# Altium PCB 小车PCB升级1 - 副本.PcbDoc (part 3 of 3)
Units mil, origin at the board's own origin, x right, y up, seen from the top; angles counter-clockwise.
Board outline 11811 x 8110.24 mil, 2 copper layers (Top Layer, Bottom Layer); 354 components, 360 nets, 1479 pads, 401 vias.
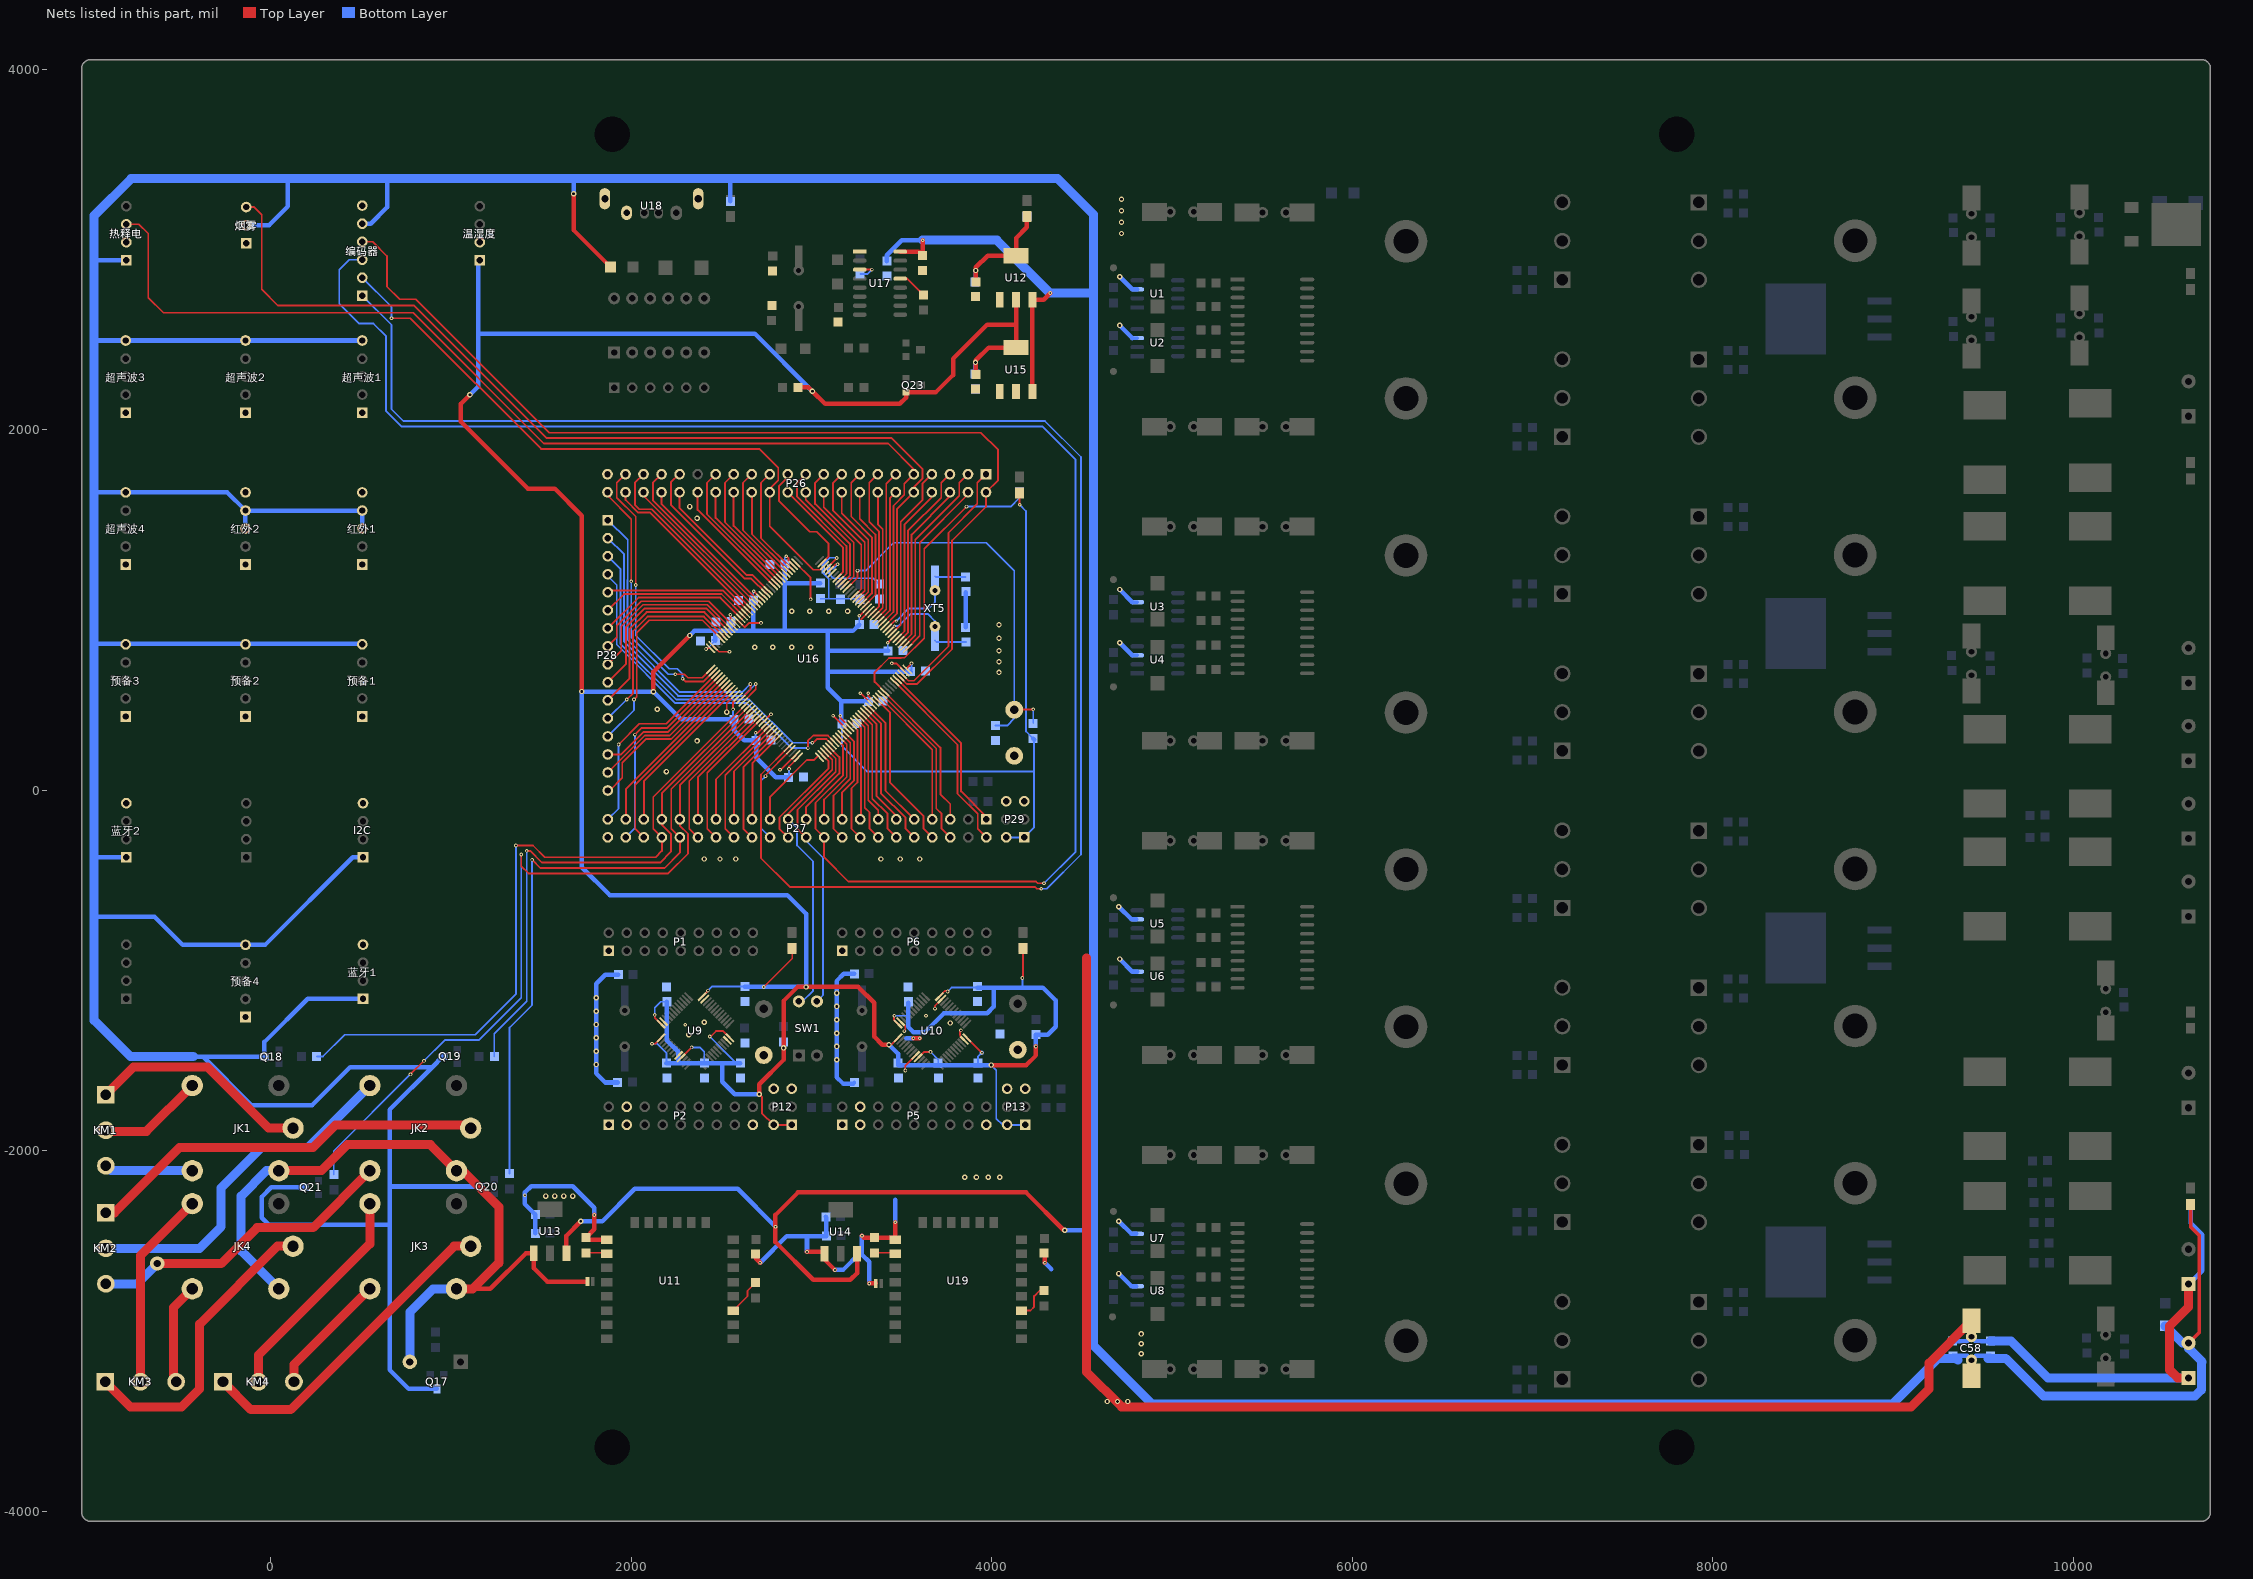
[diagram p3: the nets of this part, all layers, seen from the top]

## Via types
v1: diameter 20, hole 10, Top Layer to Bottom Layer, 231 vias
v2: diameter 30, hole 15, Top Layer to Bottom Layer, 119 vias
v3: diameter 118.11, hole 59.06, Top Layer to Bottom Layer, 29 vias
v4: diameter 157.48, hole 78.74, Top Layer to Bottom Layer, 8 vias
v5: diameter 236.22, hole 236.22, Top Layer to Bottom Layer, 8 vias
v6: diameter 50, hole 25, Top Layer to Bottom Layer, 2 vias
v7: diameter 16, hole 8, Top Layer to Bottom Layer, 1 vias
v8: diameter 30/25 (per signal layer), hole 15, Top Layer to Bottom Layer, 1 vias
v9: diameter 78.74, hole 39.37, Top Layer to Bottom Layer, 1 vias
v10: diameter 15, hole 8, Top Layer to Bottom Layer, 1 vias

## Nets (pads, with @x,y where several pads share a name; then routed paths per layer and width w, separated by ;. In a path a pad name is that pad's centre, name@x,y a point inside that pad or via, vN(x,y) a via of type N, cw(c..) or ccw(c..) an arc to the next point about the centre after c; other vN are vias at no path point) (continued)
NetR80_2: R80.2 U11.3 | length 206.5
  Top Layer w10: U11.3@2565.79,-2885 2645,-2805.79 2645,-2775 R80.2@2690,-2730
NetR81_2: R81.2 U11.16 | length 117.1
  Top Layer w10: R81.2@1750,-2565 1859.96,-2565 U11.16@1865,-2570.04
NetR93_2: R93.2 U17.3 | length 143
  Top Layer w10: U17.3@3267.5,2890 v1(3335,2890)
  Bottom Layer w10: R93.2@3270,2864.64 3309.64,2864.64 v1(3335,2890)
NetR94_1: R94.1 U17.13 | length 164.8
  Top Layer w10: U17.13@3492.5,2840 3530,2840 R94.1@3620,2750
NetR99_2: R99.2 U19.3 | length 205.7
  Top Layer w10: U19.3@4165,-2885 4215,-2885 4235,-2865 4235,-2805 4265,-2775 R99.2@4290,-2775
NetR100_2: R100.2 U19.16 | length 116.3
  Top Layer w10: R100.2@3350,-2565 U19.16@3459.17,-2565
  Top Layer w25: U19.16@3459.17,-2565 U19.16@3464.21,-2570.04
PA0: P26.26 U16.34 编码器.2 | length 3527.5
  Top Layer w10: v1(670,2620) 775,2620 1500,1895 2710,1895 2815,1790 2815,1721.75 2768.05,1674.8 P26.26@2768.05,1655 2768.05,1466.95 3010.06,1224.94 3048.89,1224.94 U16.34@3065.12,1241.16
  Bottom Layer w10: 编码器.2@507.73,2845 670,2682.73 v1(670,2620)
PA1: P26.23 U16.35 | length 675.3
  Top Layer w10: P26.23@2868.05,1755 2868.05,1738.05 2820,1690 2820,1605 2990,1435 3030,1435 3095,1370 3095,1298.88 U16.35@3051.2,1255.08
PA4: P26.25 U16.40 | length 619.4
  Top Layer w10: P26.25@2768.05,1755 2720,1706.95 2720,1399.31 2892.07,1227.24 U16.40@2892.51,1227.24
PA5: P26.28 U16.41 | length 538.1
  Top Layer w10: P26.28@2670,1665 2670,1421.91 U16.41@2878.6,1213.32
PA6: P26.27 U16.42 | length 676.9
  Top Layer w10: P26.27@2668.05,1755 2620,1706.95 2620,1444.08 U16.42@2864.68,1199.4
PA7: P26.30 U16.43 | length 579.3
  Top Layer w10: P26.30@2568.05,1655 2568.05,1468.19 U16.43@2843.69,1192.55 U16.43@2845.55,1190.69
PA8: P27.27 U16.100 | length 535.5
  Top Layer w10: P27.27@2671.95,-170 2671.95,152.02 U16.100@2822.92,302.99
PA12: U16.104 编码器.1 | length 9449.1
  Top Layer w10: U16.104@2878.6,247.31 2720,88.72 2720,-375 2880,-535 4240,-535 4250,-545 v1(4275,-545)
  Bottom Layer w10: 编码器.1@507.73,2745 670,2582.73 670,2115 735,2050 4295,2050 4495,1850 4495,-355 4305,-545 v1(4275,-545)
PA13: P27.26 U16.105 | length 583.9
  Top Layer w10: v1(2745,80) 2739.12,80 U16.105@2885.44,226.32
  Bottom Layer w10: v1(2745,80) 2720,55 2720,-210 P27.26@2770,-260
PA14: P27.25 U16.109 | length 486.2
  Top Layer w10: P27.25@2770,-160 2770,-35 2975,170 3015.64,170 U16.109@3037.28,191.63
PA15: P27.24 U16.110 | length 616.7
  Top Layer w10: P27.24@2870,-260 2821.95,-211.95 2821.95,-150 3095,123.05 3095,161.75 U16.110@3051.2,205.55
PB0: P26.31 U16.46 | length 792.3
  Top Layer w10: P26.31@2468.05,1755 2420,1706.95 2420,1532.72 U16.46@2809,1143.72
PB1: P26.34 U16.47 | length 702.1
  Top Layer w10: P26.34@2368.05,1655 2368.05,1556.83 U16.47@2795.08,1129.8
PB3: P27.7 U16.133 | length 809.4
  Top Layer w10: U16.133@3371.34,525.7 U16.133@3378.41,518.63 3670,227.04 P27.7@3670,-160
PB4: P27.6 U16.134 | length 959
  Top Layer w10: U16.134@3385.26,539.62 U16.134@3392.33,532.55 3691.95,232.93 3691.95,-100 3721.95,-130 3721.95,-211.95 P27.6@3770,-260
PB5: P27.5 R90.2 U16.135 | length 2515.2
  Top Layer w10: P27.5@3770,-160 3770,-75 3715,-20 3715,237.72 U16.135@3406.25,546.47 3350,602.72 3350,655 3430,735 3497.37,735 3498.37,736 3516,736 3625,845 3625,1340 v1(3860,1575)
  Bottom Layer w10: v1(3860,1575) 4105,1575 4153.8,1623.8 R90.2@4153.8,1655
PB8: P27.2 U16.139 | length 1082.6
  Top Layer w10: U16.139@3454.86,609.22 U16.139@3461.93,602.14 3810,254.08 3810,-18.05 3921.95,-130 3921.95,-211.95 P27.2@3970,-260
PB9: P27.1 U16.140 | length 990.7
  Top Layer w10: U16.140@3468.78,623.14 U16.140@3475.85,616.06 3830,261.91 3830,-5 3970,-145 P27.1@3970,-160
PB12: P26.44 U16.73 | length 1422.2
  Top Layer w10: P26.44@1868.05,1655 1868.05,1636.95 2000,1505 v1(2000,1160) ; v1(2245,645) 2295,645 2315,625 2393.28,625 U16.73@2440.02,671.74 U16.73@2447.09,678.81
  Bottom Layer w10: v1(2000,1160) 2000,850 2205,645 v1(2245,645)
PB13: P26.41 U16.74 | length 1539.5
  Top Layer w10: P26.41@1968.05,1755 1920,1706.95 1920,1625 2025,1520 v1(2025,1140) ; v1(2285,620) 2300,605 2401.12,605 U16.74@2453.94,657.82 U16.74@2461.01,664.89
  Bottom Layer w10: v1(2025,1140) 2025,860 2210,675 2255,675 2285,645 v1(2285,620)
PB14: P27.43 U16.75 | length 1148.8
  Top Layer w10: v1(1930,255) 2045,370 2193.96,370 U16.75@2467.86,643.9 U16.75@2474.93,650.97
  Bottom Layer w10: P27.43@1870,-160 1930,-100 v1(1930,255)
PB15: P27.42 U16.76 | length 1195
  Top Layer w10: v1(2020,310) 2057.5,347.5 2199.3,347.5 U16.76@2481.78,629.98 U16.76@2488.85,637.05
  Bottom Layer w10: P27.42@1970,-260 2020,-210 v1(2020,310)
PC0: P26.19 U16.26 | length 757.6
  Top Layer w10: P26.19@3068.05,1755 3020,1706.95 3020,1590 3234,1376 3234,1187.33 U16.26@3176.47,1129.8
PC1: P26.22 U16.27 | length 634.5
  Top Layer w10: P26.22@2968.05,1655 2968.05,1611.95 3214,1366 3214,1195.17 U16.27@3162.55,1143.72
PC2: P26.21 U16.28 | length 749.5
  Top Layer w10: P26.21@2968.05,1755 2920,1706.95 2920,1630 3194,1356 3194,1203.01 U16.28@3148.63,1157.64
PC3: P26.24 U16.29 | length 626.4
  Top Layer w10: P26.24@2868.05,1655 3174,1349.05 3174,1210.85 U16.29@3134.71,1171.56
PC4: P26.29 U16.44 | length 727.2
  Top Layer w10: P26.29@2568.05,1755 2520,1706.95 2520,1488.4 U16.44@2831.63,1176.77
PC5: P26.32 U16.45 | length 644.4
  Top Layer w10: P26.32@2468.05,1655 2468.05,1512.51 U16.45@2822.92,1157.64
PC6: P27.31 U16.96 | length 641.8
  Top Layer w10: P27.31@2470,-160 2470,61.43 U16.96@2760.17,351.59 U16.96@2767.24,358.67
PC7: P27.30 U16.97 | length 732
  Top Layer w10: P27.30@2570,-260 2521.95,-211.95 2521.95,85.54 U16.97@2774.09,337.68 U16.97@2781.16,344.75
PC8: P27.29 U16.98 | length 584.1
  Top Layer w10: P27.29@2570,-160 2570,105.75 U16.98@2795.08,330.83
PC9: P27.28 U16.99 | length 674.3
  Top Layer w10: P27.28@2670,-260 2621.95,-211.95 2621.95,129.86 U16.99@2809,316.91
PC10: P27.23 SW1.4 U16.111 | length 1613.4
  Top Layer w10: P27.23@2870,-160 2870,-130 3115,115 3115,169.59 U16.111@3065.12,219.47
  Bottom Layer w10: P27.23@2870,-160 2920,-210 2920,-305 3008.75,-393.75 3008.75,-1111.25 2950,-1170 SW1.4@2930,-1170
PC11: P27.22 SW1.3 U16.112 | length 1587.5
  Top Layer w10: P27.22@2970,-260 2921.95,-211.95 2921.95,-108.05 3135,105 3135,177.43 U16.112@3079.04,233.39
  Bottom Layer w10: P27.22@2970,-260 2970,-280 3063.75,-373.75 3063.75,-1136.25 SW1.3@3030,-1170
PC12: P27.21 U16.113 | length 509.6
  Top Layer w10: P27.21@2970,-160 2970,-90 3155,95 3155,185.27 U16.113@3092.95,247.31
PC13: P26.7 U16.7 | length 983.7
  Top Layer w10: U16.7@3440.94,865.33 U16.7@3448.01,872.4 3495.61,920 3495.61,1490.61 3615,1610 3615,1701.95 P26.7@3668.05,1755
PC14: C72.2 U16.8 XT5.1 | length 522
  Top Layer w10: U16.8@3427.02,879.25 U16.8@3434.09,886.32 v10(3460,912.23)
  Bottom Layer w10: v10(3460,912.23) 3482.23,912.23 3550,980 3645,980 3685,940 XT5.1@3685,910 ; XT5.1@3685,832 3694,823 C72.2@3857,823
PC15: C73.2 U16.9 XT5.2 | length 571.4
  Top Layer w10: U16.9@3413.1,893.17 U16.9@3420.17,900.24 3459.93,940 v7(3470,940)
  Bottom Layer w10: v7(3470,940) 3540,1010 3650,1010 3685,1045 XT5.2@3685,1110 ; XT5.2@3685,1189 3689,1185 C73.2@3855,1185
PD0: P28.3 U16.114 | length 1945.3
  Top Layer w10: v1(3005,265) 3010,265 3030,285 3083.1,285 U16.114@3113.95,254.16
  Bottom Layer w10: P28.3@1870,1300 1940,1230 1940,815 2249.99,505.01 2654.99,505.01 2895,265 v1(3005,265) 3005,260.3 3004.7,260 v1@3002.35,262.35
PD1: P28.4 U16.115 | length 1914.5
  Top Layer w10: v1(2980,235) 2980,275 3010,305 3090.94,305 U16.115@3120.79,275.15
  Bottom Layer w10: P28.4@1870,1200 1870,1190 1920,1140 1920,810 2244.99,485.01 2639.99,485.01 2890,235 v1(2980,235)
PD2: P27.20 U16.116 编码器.3 | length 9488.5
  Top Layer w10: U16.116@3134.71,289.07 3175,248.78 3175,85 3021.95,-68.05 3021.95,-211.95 P27.20@3070,-260 3070,-370 3205,-505 4245,-505 4255,-515 v1(4290,-515)
  Bottom Layer w10: 编码器.3@507.73,2945 435,2945 380,2890 380,2700 490,2590 570,2590 640,2520 640,2105 725,2020 4280,2020 4465,1835 4465,-340 v1(4290,-515)
PD3: P27.19 U16.117 | length 534
  Top Layer w10: P27.19@3070,-160 3070,-50 3195,75 3195,256.62 U16.117@3148.63,302.99
PD4: P27.18 U16.118 | length 657.1
  Top Layer w10: U16.118@3162.55,316.91 3215,264.46 3215,65 3121.95,-28.05 3121.95,-211.95 P27.18@3170,-260
PD5: P27.17 U16.119 | length 542
  Top Layer w10: P27.17@3170,-160 3170,-10 3235,55 3235,272.3 U16.119@3176.47,330.83
PD6: P27.16 U16.122 | length 681.4
  Top Layer w10: U16.122@3218.23,372.59 U16.122@3225.3,365.51 3255,335.81 3255,45 3221.95,11.95 3221.95,-211.95 P27.16@3270,-260
PD7: P27.15 U16.123 | length 566.3
  Top Layer w10: U16.123@3232.15,386.5 U16.123@3239.22,379.43 3275,343.65 3275,-155 P27.15@3270,-160
PD8: P28.14 U16.77 | length 808
  Top Layer w10: P28.14@1870,200 1945,200 2070,325 2204.64,325 U16.77@2495.7,616.06 U16.77@2502.77,623.14
PD9: P28.15 U16.78 | length 857.6
  Top Layer w10: P28.15@1870,100 2075,305 2212.47,305 U16.78@2509.62,602.14 U16.78@2516.69,609.22
PD10: P28.16 U16.79 | length 957
  Top Layer w10: P28.16@1870,0 1880,0 1950,70 1950,155 2080,285 2220.31,285 U16.79@2530.61,595.3
PD11: P27.41 U16.80 | length 979.4
  Top Layer w10: P27.41@1970,-160 1970,6.85 U16.80@2544.53,581.38
PD12: P27.40 U16.81 | length 1069.6
  Top Layer w10: P27.40@2070,-260 2021.95,-211.95 2021.95,30.96 U16.81@2558.45,567.46
PD13: P27.39 U16.82 | length 921.9
  Top Layer w10: P27.39@2070,-160 2070,51.62 2571.92,553.54 U16.82@2572.37,553.54
PD14: P28.1 U16.85 | length 1629.2
  Top Layer w10: U16.85@2614.13,511.78 2660.91,558.56 v1(2660.91,590.91)
  Bottom Layer w10: P28.1@1870,1500 1980,1390 1980,1169.7 1979,1168.7 1979,836 2269.08,545.92 2615.92,545.92 v1(2660.91,590.91)
PD15: P28.2 U16.86 | length 1613.9
  Top Layer w10: U16.86@2628.05,497.86 2690.91,560.72 v1(2690.91,590.91)
  Bottom Layer w10: P28.2@1870,1400 1960,1310 1960,825 2260.08,524.92 2624.92,524.92 v1(2690.91,590.91)
PE0: P26.2 U16.141 编码器.4 | length 5713.5
  Top Layer w10: 编码器.4@507.49,3044.5 565.5,3044.5 645,2965 645,2795 715,2725 805,2725 1545,1985 3940,1985 4035,1890 4035,1721.95 P26.2@3968.05,1655 3968.05,1575 3780,1386.95 3780,785 3585,590 3529.75,590 U16.141@3489.77,629.98 U16.141@3482.7,637.05
PE1: P26.1 U16.142 | length 1402
  Top Layer w10: U16.142@3496.62,650.97 3496.62,649.97 3538.06,608.53 3568.53,608.53 3760,800 3760,1430 3920,1590 3920,1706.95 P26.1@3968.05,1755
PE2: P26.4 U16.1 | length 1015.5
  Top Layer w10: U16.1@3524.46,781.82 3600,857.36 3600,1375 3868.05,1643.05 P26.4@3868.05,1655
PE3: P26.3 U16.2 | length 1107.3
  Top Layer w10: U16.2@3510.54,795.74 U16.2@3517.61,802.81 3575,860.2 3575,1390 3820,1635 3820,1706.95 P26.3@3868.05,1755
PE4: P26.6 U16.3 | length 957.8
  Top Layer w10: U16.3@3496.62,809.66 U16.3@3503.69,816.73 3555,868.04 3555,1420 3768.05,1633.05 P26.6@3768.05,1655
PE5: P26.5 U16.4 | length 1049.6
  Top Layer w10: U16.4@3482.7,823.58 U16.4@3489.77,830.65 3535,875.88 3535,1440 3720,1625 3720,1706.95 P26.5@3768.05,1755
PE6: P26.8 U16.5 | length 900
  Top Layer w10: U16.5@3468.78,837.49 U16.5@3475.85,844.57 3516.28,885 3516.28,1476.28 3664.47,1624.47 3664.47,1651.42 P26.8@3668.05,1655
PE7: P28.5 U16.58 | length 831.3
  Top Layer w10: P28.5@1870,1100 1880,1110 2508.65,1110 U16.58@2634.89,983.76 U16.58@2641.96,976.69
PE8: P28.6 U16.59 | length 848
  Top Layer w10: P28.6@1870,1000 1960,1090 2500.81,1090 U16.59@2620.97,969.84 U16.59@2628.05,962.77
PE9: P28.7 U16.60 | length 865.8
  Top Layer w10: P28.7@1870,900 2040,1070 2494.8,1070 2614.13,950.67 U16.60@2614.13,948.85
PE10: P28.8 U16.63 | length 903.5
  Top Layer w10: P28.8@1870,800 1920,850 1920,915 2055,1050 2429.46,1050 2505,974.46 2505,974.01 2519.01,960 2519.46,960 U16.63@2565.3,914.16 U16.63@2572.37,907.09
PE11: P28.9 U16.64 | length 960.9
  Top Layer w10: P28.9@1870,700 1945,775 1945,910 2065,1030 2421.62,1030 U16.64@2558.45,893.17
PE12: P28.10 U16.65 | length 1019.3
  Top Layer w10: P28.10@1870,600 1970,700 1970,905 2075,1010 2415,1010 2544.53,880.47 U16.65@2544.53,879.25
PE13: P28.11 U16.66 | length 1076.3
  Top Layer w10: P28.11@1870,500 1990,620 1990,895 2085,990 2405.94,990 U16.66@2530.61,865.33
PE14: P28.12 U16.67 | length 1129.9
  Top Layer w10: v1(1975,505) 2010,540 2010,885 2090,965 2403.1,965 U16.67@2509.62,858.49 U16.67@2516.69,851.41
  Bottom Layer w10: P28.12@1870,400 v1(1975,505)
PE15: P28.13 U16.68 | length 1187.6
  Top Layer w10: v1(2015,505) 2030,520 2030,875 2100,945 2395.27,945 U16.68@2495.7,844.57 U16.68@2502.77,837.49
  Bottom Layer w10: P28.13@1870,300 2015,445 v1(2015,505)
PF0: P26.10 U16.10 烟雾.3 | length 5563.4
  Top Layer w10: 烟雾.3@-136.67,3236.85 -91.85,3236.85 -50,3195 -50,2780 40,2690 795,2690 1530,1955 3445,1955 3615,1785 3615,1730 3568.05,1683.05 P26.10@3568.05,1655 3475,1561.95 3475,982.91 U16.10@3399.18,907.09
PF1: P26.9 U16.11 热释电.3 | length 6077.2
  Top Layer w10: 热释电.3@-801.06,3141.77 -731.42,3141.77 -679.65,3090 -679.65,2734.65 -595,2650 790,2650 1515,1925 3425,1925 3568.05,1781.95 P26.9@3568.05,1755 3515,1701.95 3515,1640 3455,1580 3455,990.75 U16.11@3385.26,921.01
PF2: P26.12 U16.12 | length 760.1
  Top Layer w10: U16.12@3371.34,934.93 3435,998.59 3435,1621.95 P26.12@3468.05,1655
PF3: P26.11 U16.13 | length 852
  Top Layer w10: U16.13@3357.42,948.85 U16.13@3364.5,955.92 3415,1006.43 3415,1701.95 P26.11@3468.05,1755
PF4: P26.14 U16.14 | length 724.7
  Top Layer w10: U16.14@3343.5,962.77 U16.14@3350.58,969.84 3395,1014.26 3395,1450 3368.05,1476.95 P26.14@3368.05,1655
PF5: P26.13 U16.15 | length 839.8
  Top Layer w10: U16.15@3329.58,976.69 U16.15@3336.66,983.76 3375,1022.1 3375,1435 3320,1490 3320,1706.95 P26.13@3368.05,1755
PF6: P26.16 U16.18 | length 700.4
  Top Layer w10: P26.16@3268.05,1655 3268.05,1506.95 3355,1420 3355,1085.62 U16.18@3294.9,1025.52 U16.18@3287.83,1018.45
PF7: P26.15 U16.19 | length 815.5
  Top Layer w10: P26.15@3268.05,1755 3220,1706.95 3220,1520 3335,1405 3335,1093.46 U16.19@3280.98,1039.44 U16.19@3273.91,1032.37
PF8: P26.18 U16.20 | length 692.4
  Top Layer w10: P26.18@3168.05,1655 3168.05,1536.95 3315,1390 3315,1101.3 U16.20@3267.06,1053.36 U16.20@3259.99,1046.29
PF9: P26.17 U16.21 | length 807.5
  Top Layer w10: P26.17@3168.05,1755 3120,1706.95 3120,1552.63 3295,1377.63 3295,1109.14 U16.21@3253.14,1067.28 U16.21@3246.07,1060.21
PF10: P26.20 U16.22 | length 685.2
  Top Layer w10: P26.20@3068.05,1655 3068.05,1571.95 3276,1364 3276,1117.98 U16.22@3239.22,1081.2 U16.22@3232.15,1074.13
PF11: P26.36 U16.49 | length 779.8
  Top Layer w10: P26.36@2268.05,1655 2268.05,1566.95 2640,1195 2674.2,1195 U16.49@2760.17,1109.03 U16.49@2767.24,1101.96
PF12: P26.35 U16.50 | length 923.5
  Top Layer w10: P26.35@2268.05,1755 2265,1755 2220,1710 2220,1585 2629.32,1175.68 2665.68,1175.68 U16.50@2748.11,1093.26
PF13: P26.38 U16.53 | length 834.9
  Top Layer w10: P26.38@2168.05,1655 2168.05,1587.94 2709.7,1046.29 U16.53@2711.56,1046.29
PF14: P26.37 U16.54 | length 981.8
  Top Layer w10: P26.37@2168.05,1755 2120,1706.95 2120,1610.01 U16.54@2697.64,1032.37
PF15: P26.40 U16.55 | length 891.6
  Top Layer w10: P26.40@2068.05,1655 2068.05,1634.12 U16.55@2683.72,1018.45
PG0: P26.39 U16.56 | length 1080.1
  Top Layer w10: P26.39@2068.05,1755 2020,1706.95 2020,1585 2045,1560 2114.33,1560 U16.56@2662.73,1011.6 U16.56@2669.8,1004.53
PG1: P26.42 U16.57 | length 988.3
  Top Layer w10: P26.42@1968.05,1655 1968.05,1611.95 2038.51,1541.49 2105,1541.49 U16.57@2648.81,997.68 U16.57@2655.88,990.61
PG2: P27.38 R85.1 U16.87 | length 3978.6
  Top Layer w10: v1(1360,-305) 1455,-305 1520,-370 2135,-370 2170,-335 P27.38@2170,-260 2121.95,-211.95 2121.95,-36.07 U16.87@2641.96,483.94
  Bottom Layer w10: R85.1@255,-1475 290,-1475 410,-1355 1135,-1355 1360,-1130 v1(1360,-305)
PG3: P27.37 R86.1 U16.88 | length 3098.3
  Top Layer w10: v1(1420,-335) 1440,-335 1505,-400 2160,-400 2220,-340 2220,-240 2170,-190 P27.37@2170,-160 2170,-15.86 U16.88@2655.88,470.02
  Bottom Layer w10: R86.1@1240,-1475 1240,-1350 1420,-1170 v1(1420,-335)
PG4: P27.36 R87.1 U16.89 | length 3672.1
  Top Layer w10: v1(1450,-385) 1495,-430 2185,-430 2270,-345 P27.36@2270,-260 2221.95,-211.95 2221.95,8.25 U16.89@2662.73,449.03 U16.89@2669.8,456.1
  Bottom Layer w10: R87.1@1325,-2125 1325,-1315 1450,-1190 v1(1450,-385)
PG5: P27.35 R88.1 U16.90 | length 4351.4
  Top Layer w10: v1(775,-1575) v1(850,-1500) ; v1(1390,-355) 1390,-420 1430,-460 2205,-460 2315,-350 2315,-240 2270,-195 P27.35@2270,-160 2270,28.46 U16.90@2683.72,442.18